# KiCad board cpu2.kicad_pcb (continued)
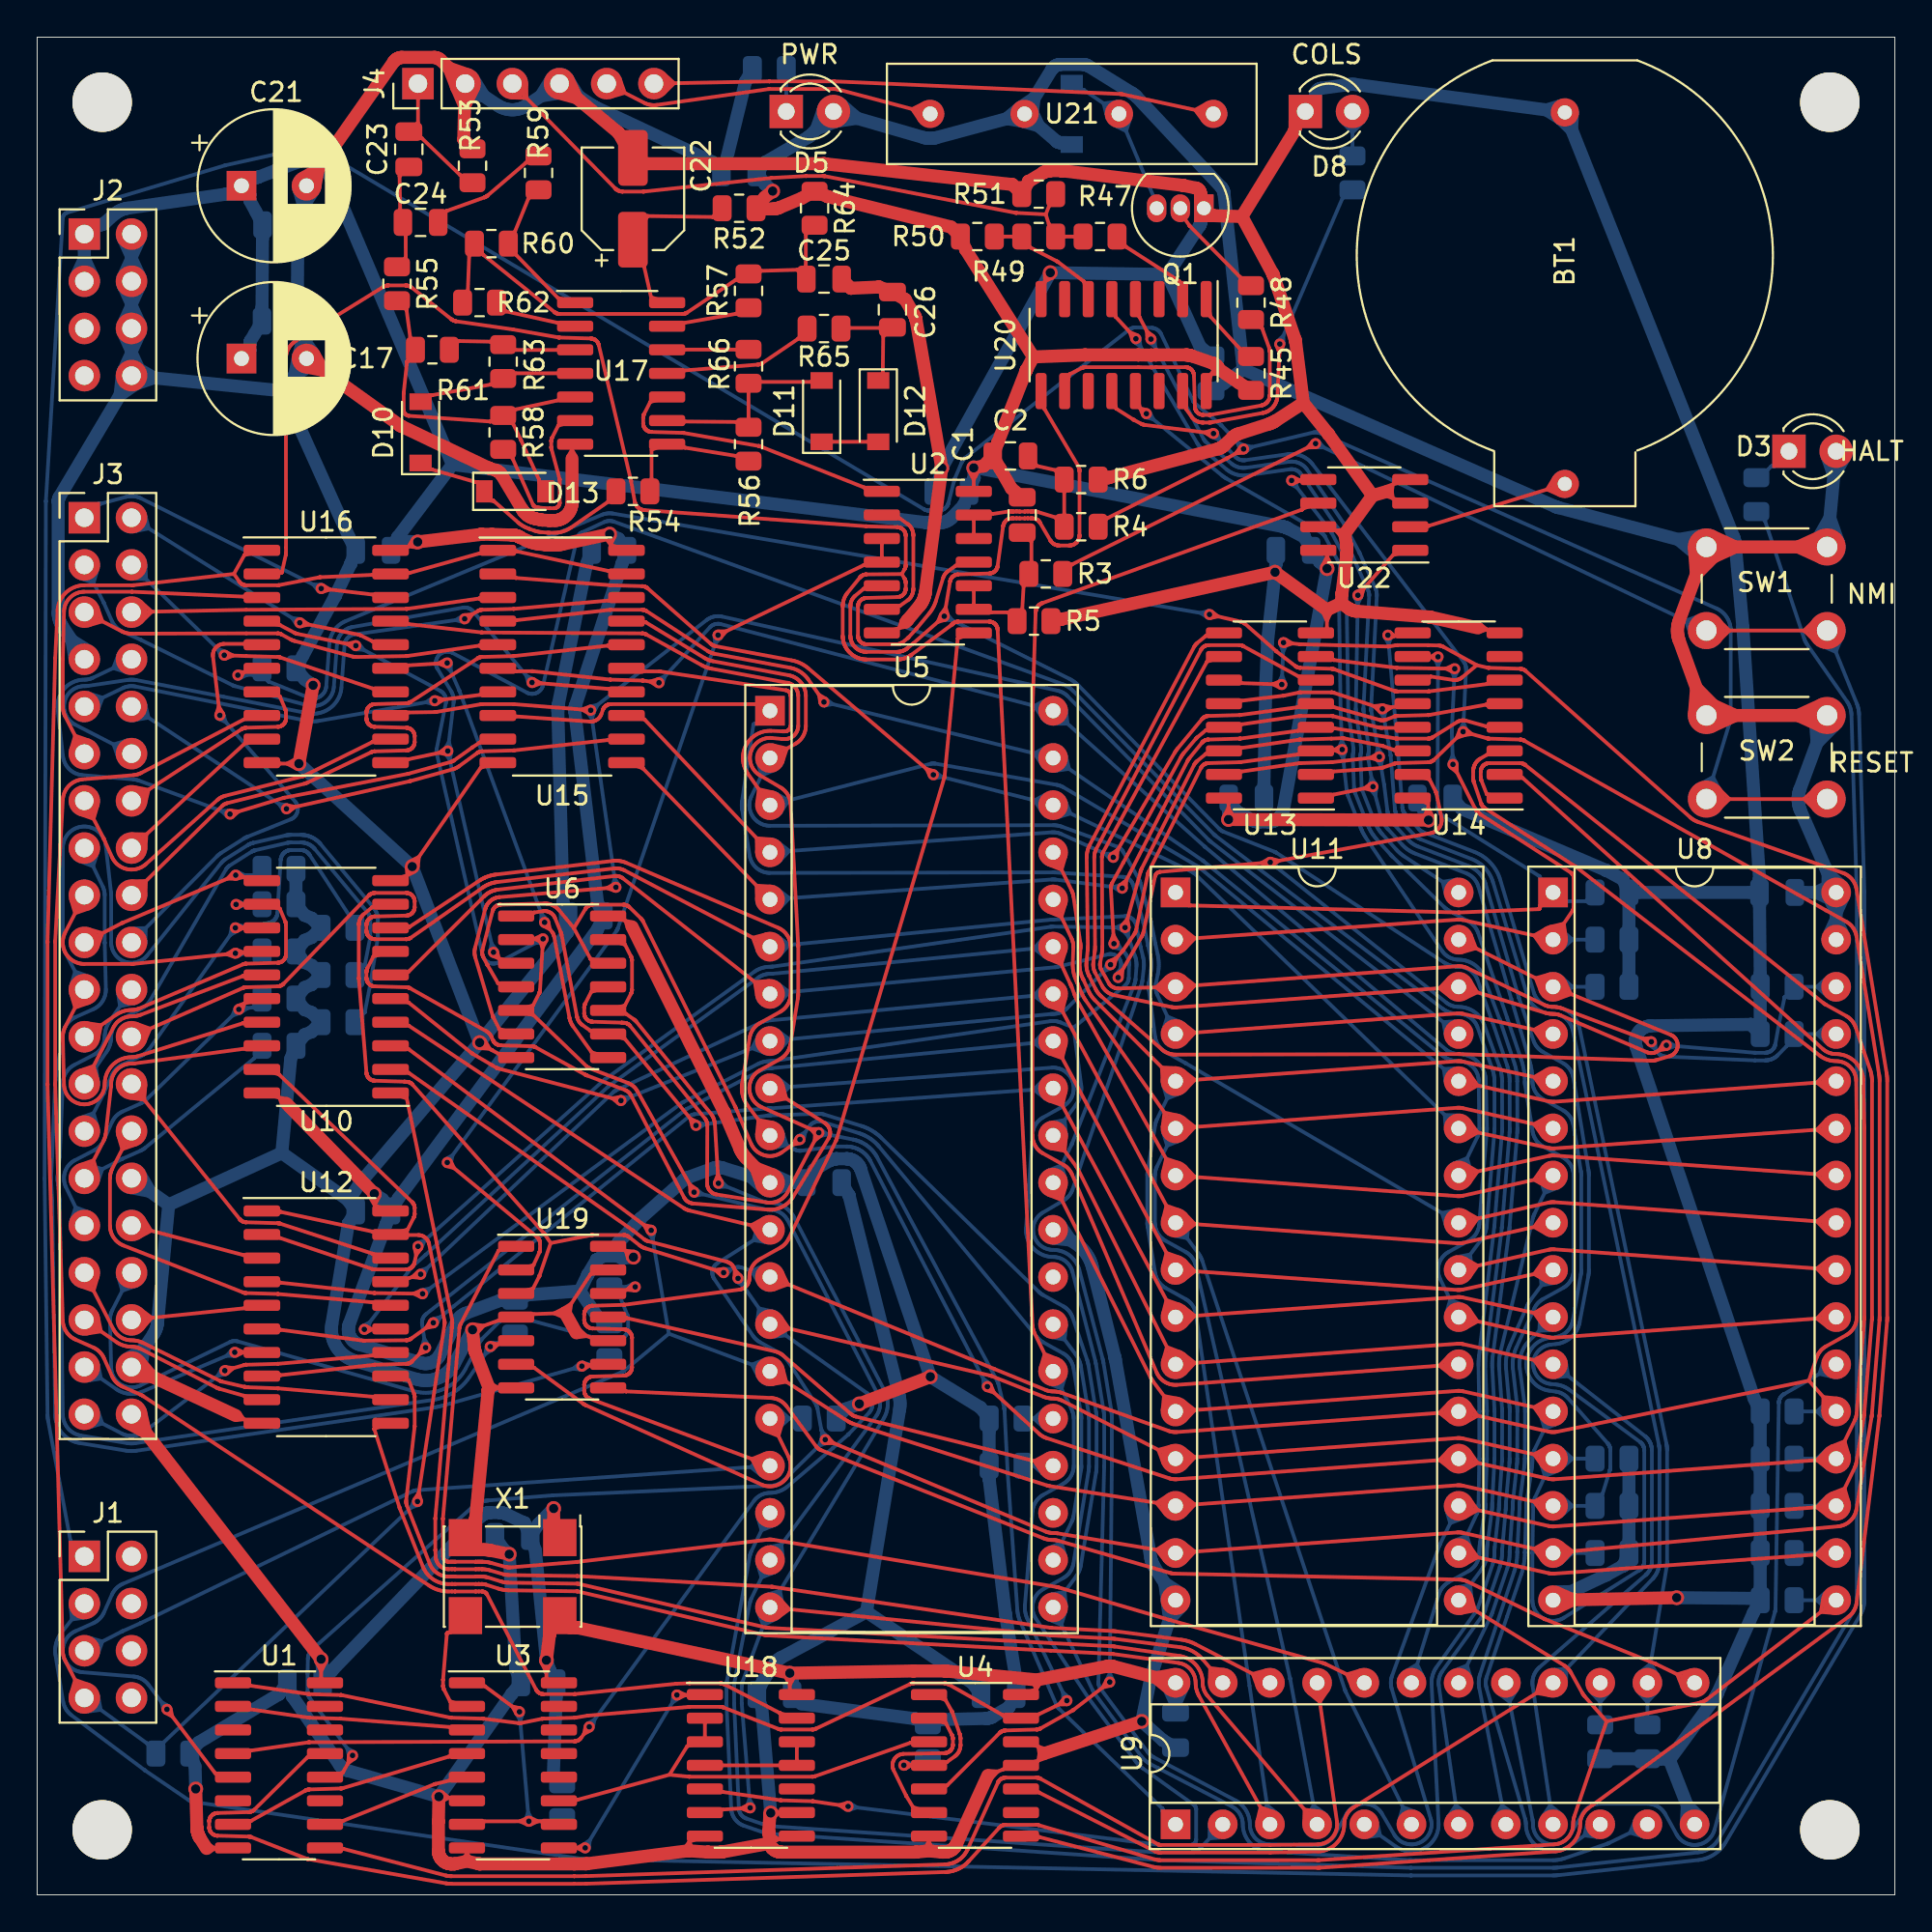
[diagram p0: board, top side]
## Routing (per net, layer and track width the routed paths; a pad name or vN(x,y) marks a point on that pad's centre or on a via; arc(x,y) is an arc through that point) (continued)
  Bottom w0.7: C15.2 43.7,37.66 43.71,37.64 46.38,26.96 46.4,26.88 46.42,26.79 46.43,26.7 46.44,26.61 46.45,26.52 46.45,26.43 46.45,26.34 46.44,26.25 46.43,26.16 46.42,26.08 44.64,15.23 ; 89.53,4.12 88.83,4.8 88.77,3.82 ; 55.06,36.05 55.62,35.24 54.64,35.35 ; 5.36,81.37 4.47,80.75 4.58,81.83 ; 14.72,82.31 13.87,81.82 14.06,82.79 ; 5.57,28.33 5.75,29.41 4.82,28.84 ; 82.65,95.93 82.6,95.03 81.95,95.65 ; v1(39.49,4.41) 39.01,10.06 C3.2 39.05,11.5 39.06,11.51 39.72,12.48 39.75,12.51 39.77,12.54 39.8,12.57 39.83,12.6 39.86,12.63 39.89,12.66 39.92,12.69 39.96,12.71 39.99,12.74 40.03,12.76 40.06,12.78 44.64,15.23 ; C13.2 92.72,54.69 92.71,54.7 91.82,68.19 91.82,68.24 ; C13.2 92.72,53.23 92.75,49.58 R24.2 R21.2 92.25,46.85 92.24,46.86 86.88,46.78 86.83,46.78 86.78,46.77 86.73,46.77 86.68,46.75 86.63,46.74 86.58,46.72 86.54,46.7 86.49,46.68 86.45,46.66 86.41,46.63 86.36,46.6 86.33,46.57 86.29,46.53 86.25,46.5 86.22,46.46 86.19,46.42 86.16,46.38 86.14,46.33 86.11,46.29 86.09,46.24 86.08,46.19 86.06,46.15 86.05,46.1 86.04,46.05 86.04,46 86.03,45.95 86.03,45.9 86.04,45.85 86.04,45.79 86.05,45.75 86.06,45.7 86.08,45.65 92.43,26.71 R36.2 R35.2 R34.2 R33.2 R32.2 ; C13.2 R25.2 ; v1(8.54,5.7) 8.5,6.91 R15.1 8.68,8.2 13.01,10.8 13.01,10.8 C20.2 13.74,10.69 13.74,10.68 16.27,7.02 16.3,6.98 16.32,6.95 16.35,6.92 16.38,6.89 16.41,6.86 16.44,6.83 16.48,6.81 16.51,6.78 16.55,6.76 16.58,6.74 16.62,6.72 16.66,6.71 16.7,6.69 16.74,6.68 v1(21.62,5.28) 25.55,10.83 25.56,10.83 C16.2 25.77,12.14 v1(25.41,18.33) 25.07,18.64 C28.2 ; 60.85,87.23 62.57,89.85 62.58,89.86 62.59,89.88 62.6,89.89 62.6,89.91 62.61,89.92 62.61,89.94 62.62,89.96 62.62,89.97 62.63,89.99 62.63,90.01 62.63,90.02 62.63,90.04 62.63,90.39 Q1.1 ; 60.85,87.23 62.6,83.33 C5.2 ; 60.85,87.23 v1(54.54,87.32) v1(48.7,76.81) 48.58,76.27 C7.2 ; 7.08,37.15 6.48,30.82 6.48,30.75 6.47,30.69 6.45,30.63 6.44,30.57 6.42,30.51 6.4,30.45 6.37,30.39 6.35,30.33 6.32,30.28 6.29,30.22 6.25,30.17 J3.38 ; 7.08,37.15 J3.30 ; 7.08,37.15 13.17,39.94 ; R27.2 R26.2 87.38,7.33 87.41,7.33 87.42,7.33 87.87,7.27 ; 4.63,84.53 5.08,85.52 5.53,84.53 ; C21.2 14.3,90.63 C27.2 14.03,89.17 14,85.44 C14.2 14.28,83.99 C17.2 13.25,80.96 ; 81.59,16.31 82.58,16.32 81.94,15.57 ; R25.2 85.36,54.65 85.35,54.67 85.34,54.67 84.5,55.13 84.47,55.14 84.43,55.16 76.68,58.46 C4.2 ; R25.2 R23.2 R22.2 ; C29.2 16.88,37.54 16.88,37.55 17.35,38.26 17.36,38.28 17.37,38.3 17.39,38.32 17.4,38.34 17.42,38.36 v1(23.82,45.88) ; C29.2 16.76,36.14 16.75,36.12 16.75,36.11 15.86,30.73 15.85,30.63 15.84,30.53 15.84,30.42 15.84,30.32 15.85,30.22 15.87,30.12 15.89,30.02 15.92,29.92 15.95,29.82 15.99,29.73 16.03,29.64 16.08,29.55 16.14,29.46 16.2,29.38 16.26,29.3 16.33,29.22 16.4,29.15 16.48,29.08 16.56,29.02 16.64,28.96 16.73,28.91 16.82,28.86 16.91,28.81 17.01,28.78 17.11,28.74 20.41,27.76 20.5,27.73 20.6,27.71 20.7,27.7 20.8,27.69 20.9,27.69 21,27.69 21.11,27.7 21.21,27.71 21.3,27.73 21.4,27.76 21.5,27.79 21.59,27.82 21.68,27.86 21.77,27.91 21.86,27.96 21.94,28.02 22.02,28.08 22.1,28.15 22.17,28.22 22.24,28.29 22.31,28.37 22.37,28.45 22.42,28.53 22.47,28.62 v1(23.44,30.42) ; C29.2 16.7,37.43 13.17,39.94 ; R32.2 92.38,15.18 90.46,10.86 90.45,10.82 90.43,10.79 90.41,10.75 90.39,10.72 90.36,10.68 90.34,10.65 90.32,10.61 87.87,7.27 ; R32.2 92.59,15.96 92.24,15.96 v1(88.26,16) ; v1(14.09,60.89) v1(20.19,55.35) v1(23.82,45.88) ; 60.83,15.81 60.95,14.83 61.61,15.56 ; 13.17,39.94 13.65,45.01 R37.2 14.4,46.3 14.4,46.3 14.78,46.46 14.78,46.46 R38.2 14.78,47.49 14.78,47.49 14.4,47.65 14.4,47.65 R39.2 14.4,48.84 14.4,48.84 14.78,49 14.78,49 R40.2 14.78,50.03 14.78,50.03 14.4,50.19 14.4,50.19 R41.2 14.4,51.38 14.4,51.38 14.78,51.54 14.78,51.54 R42.2 14.78,52.57 14.78,52.57 14.4,52.73 14.4,52.73 R43.2 R44.2 ; 2.05,66.43 1.87,67.51 2.8,66.94 ; 4.99,38.08 6.06,37.88 5.51,38.82 ; 61.53,16.24 60.7,16.77 60.83,15.8 ; C9.2 66.68,71.65 66.68,71.62 v1(66.64,71.2) 66.24,67.5 66.23,67.47 66.23,67.45 66.14,65.19 66.14,65.17 66.04,59.77 C6.2 ; R11.1 38.13,97.61 38.13,97.6 37.11,93.42 37.11,93.42 36.84,92.69 36.36,93.28 30.06,96.22 30.03,96.24 30,96.25 29.97,96.27 29.94,96.29 29.91,96.31 29.88,96.33 J4.4 26.36,96.33 26.3,96.29 26.23,96.25 26.16,96.21 26.08,96.18 26.01,96.16 25.93,96.13 25.85,96.12 25.78,96.1 25.7,96.09 25.62,96.09 25.54,96.09 25.46,96.09 25.38,96.1 25.31,96.12 25.23,96.13 25.15,96.16 25.08,96.18 25,96.21 24.93,96.25 24.86,96.29 24.8,96.33 J4.2 ; 82.02,95.6 81.25,96.08 82.11,96.34 ; 87.87,7.27 U9.12 ; 44.64,15.23 50.35,11.4 C19.2 ; 28.04,97.01 29.12,96.83 28.55,97.76 ; R29.2 R30.2 R31.2 85.36,17.71 85.35,17.7 84.48,17.22 84.45,17.21 U8.16 ; 5.53,87.07 5.08,88.06 4.63,87.07 ; 22.96,97.01 24.04,96.83 23.47,97.76 ; C11.2 60.6,8.32 v1(59.46,9.34) 59.95,11.69 59.95,11.72 59.96,11.75 59.97,11.78 59.98,11.8 59.99,11.83 U11.16 60.13,17.67 60.1,17.72 60.07,17.77 60.05,17.83 60.02,17.88 60,17.93 59.98,17.99 59.97,18.05 59.95,18.1 59.94,18.16 58.05,28.78 58.04,28.82 58.03,28.87 58.02,28.91 58.01,28.96 58,29 56.8,33.79 56.77,33.9 56.74,34.01 56.7,34.11 56.65,34.22 56.59,34.32 56.54,34.42 56.47,34.51 56.41,34.6 56.33,34.69 56.25,34.78 56.17,34.86 56.09,34.93 56,35 55.9,35.07 55.81,35.13 54.69,35.8 ; 14.87,82.95 14.31,83.76 14.06,82.81 ; 4.63,84.11 5.08,83.12 5.53,84.11 ; 5.33,82.21 6.27,81.66 5.24,81.31 ; 13.25,80.96 J2.8 ; 13.25,80.96 16.79,73.08 C8.2 16.88,71.65 16.87,71.64 16.06,69.95 16.04,69.91 14.3,66.7 R28.2 14.4,65.43 v1(14.85,65.11) ; J2.8 J2.6 J2.4 J2.2 ; J2.8 1.21,75.27 1.2,75.24 1.18,75.22 1.17,75.2 1.17,75.18 1.16,75.15 1.15,75.13 1.14,75.1 1.14,75.08 1.13,75.05 1.13,75.03 1.13,75.01 1.13,74.98 1.13,69.05 1.13,68.98 1.14,68.91 1.15,68.84 1.16,68.78 1.17,68.71 1.19,68.64 1.21,68.58 1.24,68.51 1.27,68.45 1.3,68.39 1.33,68.33 1.37,68.27 J3.7 ; 14.07,91.87 14.35,90.93 14.88,91.76 ; 27.69,97.76 27.12,96.83 28.2,97.01 ; 5.53,81.99 5.08,82.98 4.63,81.99 ; v1(23.82,45.88) 27.9,50.92 27.93,50.95 27.93,50.96 28.52,51.78 28.53,51.81 28.54,51.83 28.55,51.85 28.56,51.87 28.57,51.89 28.58,51.93 28.58,51.96 28.58,51.96 C18.2 28.31,53.41 28.03,63.72 28.03,63.78 28.03,63.83 28.03,63.89 28.04,63.95 28.04,64 28.05,64.06 28.06,64.12 29.58,71.65 C12.2 ; 4.63,89.19 5.08,88.2 5.53,89.19 ; 4.63,86.65 5.08,85.66 5.53,86.65 ; D8.1 68.81,96.55 68.81,96.9 68.82,96.92 68.82,96.94 68.82,96.96 68.82,96.98 68.83,97 68.84,97.02 68.84,97.04 68.85,97.06 68.86,97.07 68.87,97.09 68.88,97.11 68.9,97.12 68.91,97.14 68.92,97.15 68.94,97.17 68.95,97.18 68.97,97.19 68.99,97.2 69,97.21 69.02,97.22 69.04,97.23 69.06,97.23 69.08,97.24 69.1,97.24 69.12,97.25 70.61,97.45 70.67,97.45 70.72,97.46 70.78,97.46 70.83,97.46 70.89,97.46 70.94,97.45 71,97.45 BT1.2 91.3,73.13 91.32,73.08 91.34,73.03 91.36,72.97 91.37,72.92 91.38,72.87 91.39,72.81 91.4,72.75 91.41,72.7 91.82,68.24
A0: length 167.6
  Top w0.2: 58.41,52.2 58.69,52.53 58.76,52.1 ; 55.36,38.15 55.15,37.41 54.44,37.69 ; 60.58,26.09 60.66,26.85 61.41,26.71 ; U14.14 73.17,61.63 73.07,61.63 73.04,61.63 73.04,61.64 72.45,61.84 72.43,61.85 72.4,61.85 72.37,61.86 70.37,62.25 70.35,62.25 70.33,62.26 70.31,62.26 70.29,62.26 70.27,62.26 70.25,62.26 70.23,62.26 69.67,62.24 69.67,62.24 68,62.19 67.94,62.19 67.94,62.19 64.86,61.74 U13.14 62.91,61.42 62.9,61.41 62.45,61.04 62.43,61.02 62.41,61 62.39,60.98 62.37,60.96 62.35,60.94 62.33,60.91 62.31,60.89 62.3,60.86 62.28,60.84 62.27,60.81 59.47,55.27 59.45,55.24 59.44,55.2 59.43,55.17 59.41,55.13 59.4,55.1 59.39,55.06 v2(58.56,52.07) ; 20.66,34.79 20.4,34.44 20.31,34.87 ; 61.71,26.57 62.32,26.1 61.79,25.54 ; 81.25,26.63 80.59,26.25 81.03,25.62 ; U5.30 59.92,27.88 59.94,27.84 59.96,27.8 59.99,27.76 60.01,27.72 60.04,27.69 60.06,27.65 U11.12 76.44,27.13 76.48,27.13 76.52,27.13 76.56,27.13 76.6,27.13 76.64,27.12 76.68,27.12 76.72,27.11 76.76,27.1 U8.12 ; v2(20.5,34.91) 20.31,34.03 20.3,33.98 20.29,33.96 20.27,33.92 20.26,33.9 20.24,33.87 20.23,33.85 20.2,33.82 20.17,33.78 20.15,33.77 20.13,33.75 20.1,33.73 20.07,33.72 20.03,33.7 20.01,33.69 19.99,33.68 19.96,33.67 19.93,33.67 19.91,33.67 19.87,33.66 19.86,33.66 18.19,33.66 18.16,33.67 18.12,33.67 18.1,33.67 18.08,33.68 18.03,33.69 13.08,35.36 U12.2
  Bottom w0.2: 58.76,52.05 58.72,51.62 58.42,51.93 ; 20.69,34.83 20.86,35.23 20.44,35.1 ; 58.48,52.25 58.08,52.08 58.48,51.89 ; 55.72,40.47 55.71,40.44 55.7,40.41 55.69,40.39 U5.30 ; 54.43,38.99 55.14,39.27 55.36,38.54 ; U9.10 82.44,2.6 82.37,2.55 82.29,2.51 82.21,2.47 82.13,2.43 82.04,2.4 81.96,2.38 81.87,2.36 81.79,2.35 81.7,2.34 81.61,2.34 81.52,2.34 81.43,2.34 81.34,2.36 81.26,2.38 81.17,2.4 81.09,2.43 81.01,2.46 80.93,2.5 80.85,2.54 80.78,2.59 80.7,2.64 80.64,2.7 80.57,2.76 80.51,2.82 80.45,2.89 80.4,2.96 80.35,3.04 80.31,3.11 80.27,3.19 80.24,3.28 80.21,3.36 80.18,3.44 80.16,3.53 80.15,3.62 80.14,3.71 80.14,3.8 80.14,3.83 80.14,3.87 80.13,3.91 80.13,3.95 80.12,3.99 80.12,4.03 80.11,4.06 80.1,4.1 78.02,11.11 78.01,11.16 78,11.21 77.99,11.26 77.99,11.31 77.98,11.36 77.98,11.41 77.98,11.46 77.98,11.51 77.99,11.56 78,11.61 78.01,11.66 78.02,11.71 78.04,11.76 79.13,14.98 79.13,14.98 79.9,17.26 79.94,17.4 79.98,17.54 80.01,17.68 80.04,17.82 80.06,17.97 80.07,18.11 80.08,18.26 80.08,18.4 80.08,18.45 80.16,20.82 80.16,20.88 80.16,20.94 80.16,20.98 80.17,21.01 80.17,21.05 80.17,21.09 80.18,21.12 80.18,21.16 80.44,22.88 80.46,22.98 80.47,23.08 80.48,23.18 80.49,23.28 80.49,23.38 80.49,23.48 80.49,23.53 80.5,23.58 80.5,23.63 80.51,23.68 80.52,23.73 80.53,23.78 80.55,23.82 80.56,23.87 80.58,23.92 80.6,23.96 U8.12 ; 83.46,3.95 83.29,3.2 84.05,3.1 ; 80.93,25.82 81.15,25.08 81.86,25.37 ; v2(20.5,34.91) 30.47,43.82 30.5,43.84 30.52,43.86 30.54,43.88 30.57,43.9 30.59,43.92 38.6,49.68 38.65,49.72 38.71,49.76 38.77,49.79 38.84,49.82 38.9,49.85 38.97,49.88 39.03,49.9 39.1,49.92 39.17,49.93 39.24,49.94 39.31,49.95 39.38,49.96 39.45,49.96 39.47,49.96 39.5,49.96 39.53,49.96 39.55,49.96 39.58,49.97 39.6,49.97 54.54,52.11 54.56,52.11 54.59,52.11 54.62,52.12 54.65,52.12 54.67,52.12 54.7,52.12 v2(58.56,52.07) 59.1,50.54 59.12,50.48 59.13,50.43 59.15,50.37 59.16,50.32 59.17,50.26 59.17,50.2 59.18,50.15 59.18,50.09 59.18,50.03 59.18,49.98 59.13,49.32 59.13,49.28 59.12,49.24 59.12,49.21 59.11,49.17 59.1,49.14 59.09,49.1 59.08,49.07 59.07,49.04 55.72,40.47
A1: length 163.6
  Top w0.2: 81.25,29.17 80.59,28.79 81.03,28.16 ; 61.56,61.23 58.46,55.56 58.46,55.56 57.87,54.48 57.86,54.46 57.85,54.43 57.84,54.4 57.83,54.38 57.82,54.35 57.81,54.32 57.81,54.3 57.8,54.27 57.8,54.24 57.8,54.21 57.8,54.18 57.8,54.16 v2(57.96,51.2) ; 61.79,28.08 62.32,28.64 61.71,29.11 ; U12.4 12.99,32.95 13.09,32.95 13.1,32.95 18.12,32.4 18.17,32.39 18.18,32.39 v2(20.75,32.36) ; 61.53,29.21 60.81,29.49 60.61,28.75 ; 54.69,40.88 55.91,39.25 55.93,39.21 55.96,39.18 55.98,39.14 56.01,39.1 56.03,39.06 56.05,39.02 U11.11 76.44,29.67 76.48,29.67 76.52,29.67 76.56,29.67 76.6,29.67 76.64,29.66 76.68,29.66 76.72,29.65 76.76,29.64 U8.11 ; 54.56,40.19 55.31,40.05 55.39,40.81 ; 58.14,51.29 57.94,51.68 57.78,51.27 ; U14.13 73.17,62.82 72.42,62.82 72.38,62.82 72.34,62.82 72.31,62.82 72.27,62.83 72.24,62.83 72.2,62.84 72.17,62.85 69.76,63.45 69.73,63.46 69.68,63.46 69.66,63.46 68.01,63.46 67.98,63.46 67.94,63.46 64.86,63.01 U13.13 62.91,62.69 62.9,62.68 62.45,62.31 62.44,62.3 62.42,62.28 62.41,62.27 62.39,62.25 62.38,62.24 62.36,62.22 61.74,61.48 61.71,61.45 61.68,61.41 61.65,61.38 61.63,61.34 61.6,61.3 61.58,61.26 61.56,61.23 ; 20.67,32.54 20.27,32.36 20.66,32.18
  Bottom w0.2: 58.14,51.29 58.34,50.9 57.92,51.01 ; U8.11 86.55,24.69 86.58,24.67 86.61,24.64 86.65,24.6 86.67,24.59 86.68,24.57 86.69,24.55 86.71,24.54 86.72,24.52 86.73,24.5 86.76,24.47 ; 81.02,4.19 81.45,4.82 82.04,4.34 ; 82.29,28.68 82.42,27.92 81.65,27.86 ; 86.76,24.47 86.77,24.45 86.78,24.43 86.79,24.42 86.8,24.4 86.81,24.38 86.82,24.36 86.84,24.32 86.85,24.3 86.86,24.28 86.86,24.26 86.87,24.24 86.88,24.22 86.88,24.2 86.89,24.16 86.9,24.14 86.9,24.12 86.91,24.1 86.91,24.08 86.91,24.06 86.91,24.04 86.92,23.98 86.92,23.94 86.92,23.93 86.92,17.95 86.92,17.91 86.92,17.89 86.91,17.84 86.91,17.82 86.91,17.8 86.91,17.78 86.9,17.76 86.9,17.74 86.89,17.72 86.88,17.68 86.88,17.66 86.87,17.64 86.86,17.62 86.86,17.6 86.85,17.58 86.84,17.56 86.82,17.52 86.81,17.5 86.8,17.48 86.79,17.46 86.78,17.45 86.77,17.43 86.76,17.41 86.73,17.38 86.72,17.36 86.71,17.34 86.69,17.33 86.68,17.31 86.67,17.29 86.65,17.28 86.61,17.24 86.58,17.21 80.87,12.25 80.83,12.21 80.79,12.17 80.75,12.13 80.71,12.08 80.68,12.03 80.65,11.99 80.62,11.93 80.59,11.88 80.57,11.83 80.55,11.77 80.53,11.72 80.52,11.66 80.51,11.6 80.5,11.55 80.49,11.49 80.49,11.43 80.49,11.37 80.49,11.31 80.5,11.25 U9.9 ; 55.39,40.95 55.31,41.71 54.56,41.57 ; v2(57.96,51.2) 58.4,50.86 58.44,50.82 58.48,50.79 58.52,50.75 58.55,50.7 58.59,50.66 58.62,50.62 58.65,50.57 58.67,50.52 58.7,50.47 58.72,50.42 58.73,50.37 58.75,50.32 58.76,50.26 58.77,50.21 58.78,50.16 58.78,50.1 58.78,50.05 58.76,49.36 58.76,49.33 58.76,49.3 58.75,49.27 58.74,49.24 58.74,49.21 58.73,49.18 58.72,49.16 58.7,49.13 58.69,49.1 58.67,49.07 58.66,49.05 58.64,49.02 58.62,49 58.6,48.98 58.57,48.96 58.55,48.94 55.79,46.68 ; 20.71,32.55 21.13,32.64 20.92,32.26 ; 54.69,40.88 55.91,42.51 55.95,42.57 55.99,42.64 56.03,42.71 56.07,42.78 56.1,42.85 56.13,42.92 56.15,43 56.17,43.07 56.19,43.15 56.2,43.23 56.2,43.31 56.21,43.38 56.21,43.46 56.2,43.54 56.2,43.62 55.79,46.68 ; v2(20.75,32.36) 34.62,42.57 34.65,42.59 34.68,42.61 34.71,42.63 34.75,42.65 34.78,42.67 34.81,42.69 38.78,44.72 38.84,44.75 38.9,44.77 38.96,44.79 39.02,44.81 39.08,44.83 39.14,44.85 39.2,44.86 39.26,44.87 39.32,44.87 39.39,44.88 39.45,44.88 39.47,44.88 39.5,44.88 39.53,44.88 39.55,44.88 39.58,44.89 39.6,44.89 54.54,47.03 54.59,47.03 54.64,47.04 54.69,47.04 54.74,47.04 54.79,47.03 54.84,47.03 54.89,47.02 54.94,47.01 54.99,47 55.04,46.98 55.09,46.96 55.79,46.68
